# Altium PCB HORNET-1-IPG.PcbDoc (part 3 of 8) (continued)
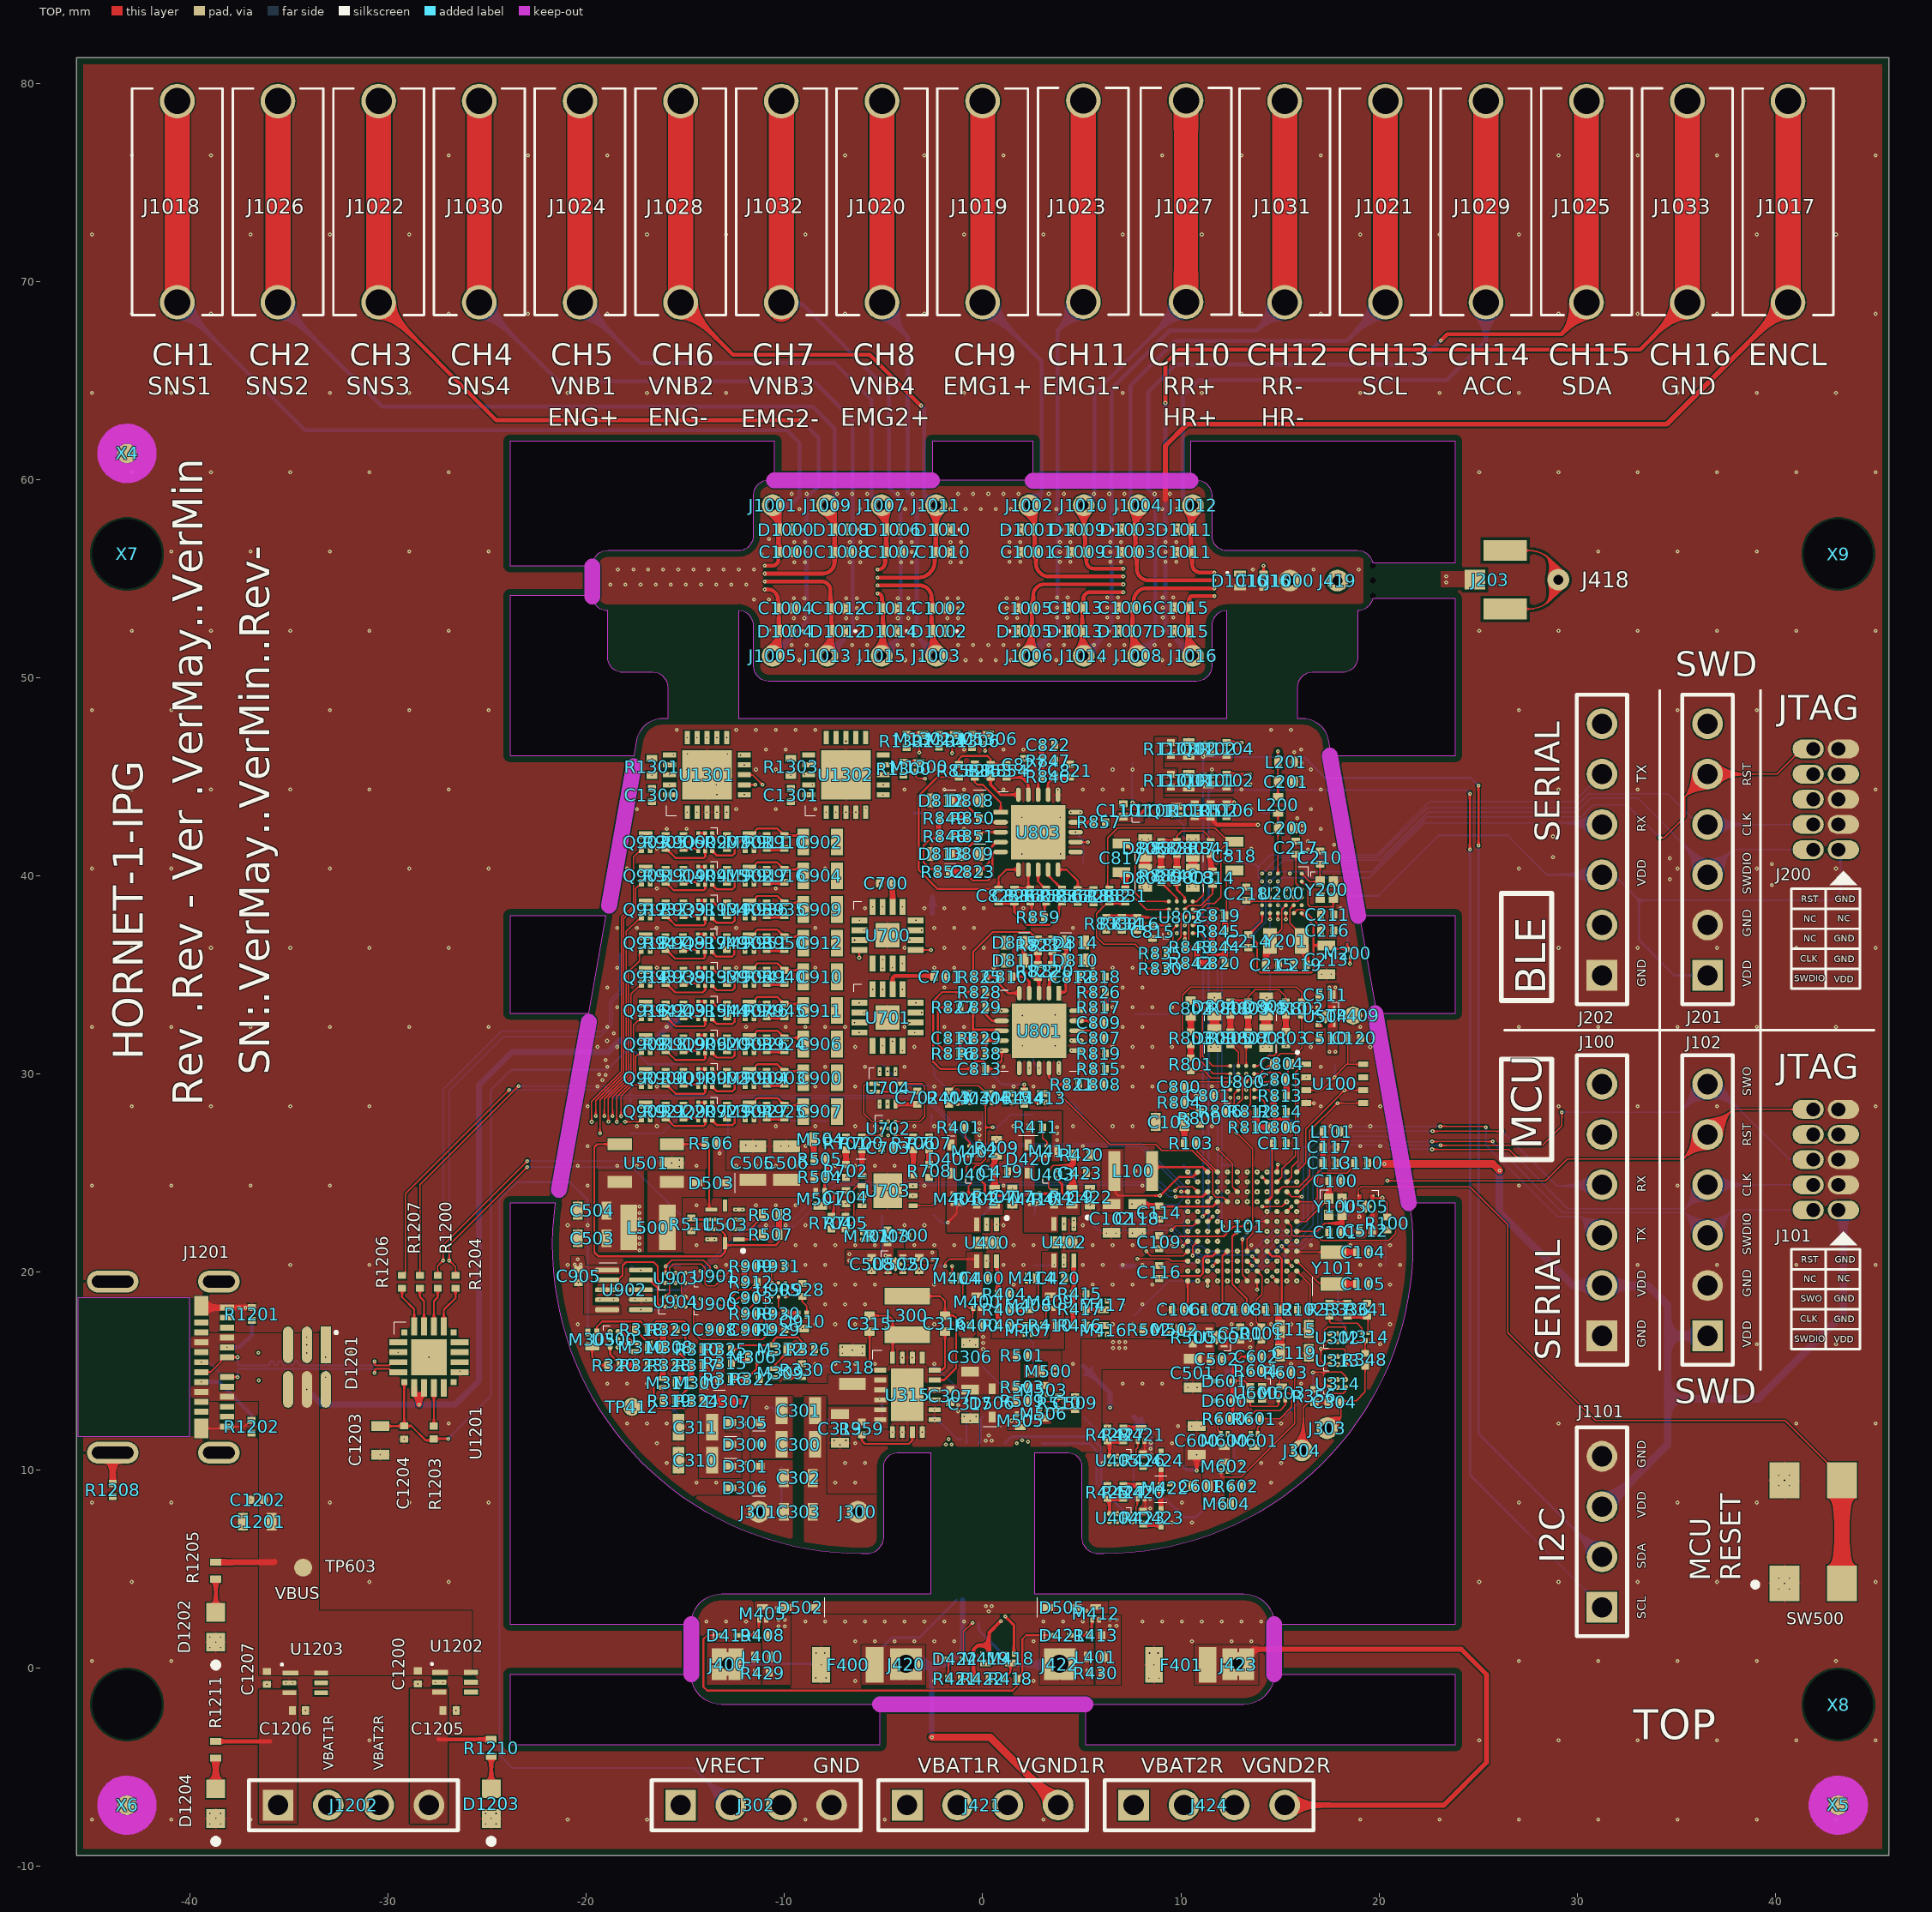
[diagram p0: TOP view]
## Part data (continued)
R337 R348 R356: "Fixed Resistor, Metal Glaze/thick Film, 0.05W, 49900ohm, 30V, 1% +/-Tol, 200ppm/Cel, Surface Mount, 0201", Case/Package=0201, Manufacturer=Vishay, Max Operating Temperature=155°C, Medical Grade MFR=Mini-Systems, Medical Grade MFR PN=MWA96SM-4992F-NS62TR, Min Operating Temperature=-55°C, Package Height=0.23mm, Package Length=0.6mm, Package Shape=Rectangular, Package Style=SMTMeter, Package Width=0.3mm, Power=50mW, Rated Temperature=70°C, Resistor Type="FIXED RESISTOR", Supplier Part Number=541-49.9KABCT-ND, Temperature Coefficient=200ppm/°C, Tolerance=1%, Working Voltage=30V, Category="Chip SMD Resistors", ComponentLink1Description=https://datasheet.ciiva.com:443/pdfs/VipMasterIC/IC/VISH/VISH-S-A0002932828/VISH-S-A0002932828-1.pdf?src-supplier=IHS+Markit, ComponentLink1URL=https://datasheet.ciiva.com:443/pdfs/VipMasterIC/IC/VISH/VISH-S-A0002932828/VISH-S-A0002932828-1.pdf?src-supplier=IHS+Markit, ComponentLink2Description=https://datasheet.ciiva.com/7673/1719906-7673210.pdf?src-supplier=Element14, ComponentLink2URL=https://datasheet.ciiva.com/7673/1719906-7673210.pdf?src-supplier=Element14, ComponentLink3Description=https://datasheet.ciiva.com/7673/1719906-7673209.pdf?src-supplier=Element14, ComponentLink3URL=https://datasheet.ciiva.com/7673/1719906-7673209.pdf?src-supplier=Element14, ComponentLink4Description=https://datasheet.ciiva.com/22643/1635184-22643438.pdf?src-supplier=Element14, ComponentLink4URL=https://datasheet.ciiva.com/22643/1635184-22643438.pdf?src-supplier=Element14, ComponentLink5Description=https://datasheet.ciiva.com/7172/1635184-7172907.pdf?src-supplier=Newark, ComponentLink5URL=https://datasheet.ciiva.com/7172/1635184-7172907.pdf?src-supplier=Newark, ComponentLink6Description=https://datasheet.ciiva.com/16208/dcrcwe3-16208758.pdf?src-supplier=Future+Electronics, ComponentLink6URL=https://datasheet.ciiva.com/16208/dcrcwe3-16208758.pdf?src-supplier=Future+Electronics, Construction=Chip, JESD-609 Code=e3, Manufacturer Part Number=CRCW020149K9FNED, Mounting Technology="Surface Mount", Packaging="Tape and Reel", Pins=2, Pricing="1=0,1, 10=0,037, 50=0,0242, 100=0,0204, 500=0,01426, 1000=0,01241, 5000=0,00924 (USD)", Reach SVHC Compliant=Yes, Reference Standard=AEC-Q200, RoHS=Yes, RoHS Compliant=Yes, Stock=25072, Supplier=Digikey, Supplier 1=Digikey, Supplier Part Number 1=541-49.9KABCT-ND, Technology="METAL GLAZE/THICK FILM", Terminal Finish=Nickel, Termination=Wraparound
R405 R416: "Fixed Resistor, Metal Glaze/thick Film, 0.05W, 4020ohm, 30V, 1% +/-Tol, 200ppm/Cel, Surface Mount, 0201", Case/Package=0201, Manufacturer=Vishay, Max Operating Temperature=155°C, Medical Grade MFR=Mini-Systems, Medical Grade MFR PN=MWA96SM-4021F-NS62TR, Min Operating Temperature=-55°C, Package Height=0.23mm, Package Length=0.6mm, Package Shape=Rectangular, Package Style=SMTMeter, Package Width=0.3mm, Power=50mW, Rated Temperature=70°C, Resistor Type="FIXED RESISTOR", Supplier Part Number=541-CRCW02014K02FNEDCT-ND, Temperature Coefficient=200ppm/°C, Tolerance=1%, Working Voltage=30V, Category="Chip SMD Resistors", ComponentLink1Description=https://datasheet.ciiva.com:443/pdfs/VipMasterIC/IC/VISH/VISH-S-A0002932828/VISH-S-A0002932828-1.pdf?src-supplier=IHS+Markit, ComponentLink1URL=https://datasheet.ciiva.com:443/pdfs/VipMasterIC/IC/VISH/VISH-S-A0002932828/VISH-S-A0002932828-1.pdf?src-supplier=IHS+Markit, ComponentLink2Description=https://datasheet.ciiva.com/7690/1719906-7690620.pdf?src-supplier=Element14, ComponentLink2URL=https://datasheet.ciiva.com/7690/1719906-7690620.pdf?src-supplier=Element14, ComponentLink3Description=https://datasheet.ciiva.com/7690/1719906-7690621.pdf?src-supplier=Element14, ComponentLink3URL=https://datasheet.ciiva.com/7690/1719906-7690621.pdf?src-supplier=Element14, ComponentLink4Description=https://datasheet.ciiva.com/9074/crcw0201e3-9074873.pdf?src-supplier=Avnet, ComponentLink4URL=https://datasheet.ciiva.com/9074/crcw0201e3-9074873.pdf?src-supplier=Avnet, ComponentLink5Description=https://datasheet.ciiva.com/22675/1700795-22675166.pdf?src-supplier=Element14, ComponentLink5URL=https://datasheet.ciiva.com/22675/1700795-22675166.pdf?src-supplier=Element14, Construction=Chip, JESD-609 Code=e3, Manufacturer Part Number=CRCW02014K02FNED, Mounting Technology="Surface Mount", Packaging="Tape and Reel", Pins=2, Pricing="1=0,1, 10=0,037, 50=0,0242, 100=0,0204, 500=0,01426, 1000=0,01241, 5000=0,00924 (USD)", Reach SVHC Compliant=Yes, Reference Standard=AEC-Q200, RoHS=Yes, RoHS Compliant=Yes, Stock=14472, Supplier=Digikey, Supplier 1=Digikey, Supplier Part Number 1=541-CRCW02014K02FNEDCT-ND, Technology="METAL GLAZE/THICK FILM", Terminal Finish=Nickel, Termination=Wraparound
R406 R417: "Fixed Resistor, Metal Glaze/thick Film, 0.05W, 7500ohm, 30V, 1% +/-Tol, 200ppm/Cel, Surface Mount, 0201", Case/Package=0201, Manufacturer=Vishay, Max Operating Temperature=155°C, Medical Grade MFR=Mini-Systems, Medical Grade MFR PN=MWA96SM-7501F-NS62TR, Min Operating Temperature=-55°C, Package Height=0.23mm, Package Length=0.6mm, Package Shape=Rectangular, Package Style=SMTMeter, Package Width=0.3mm, Power=50mW, Rated Temperature=70°C, Resistor Type="FIXED RESISTOR", Supplier Part Number=541-7.50KABCT-ND, Temperature Coefficient=200ppm/°C, Tolerance=1%, Working Voltage=30V, Category="Chip SMD Resistors", ComponentLink1Description=https://datasheet.ciiva.com:443/pdfs/VipMasterIC/IC/VISH/VISH-S-A0002932828/VISH-S-A0002932828-1.pdf?src-supplier=IHS+Markit, ComponentLink1URL=https://datasheet.ciiva.com:443/pdfs/VipMasterIC/IC/VISH/VISH-S-A0002932828/VISH-S-A0002932828-1.pdf?src-supplier=IHS+Markit, ComponentLink2Description=https://datasheet.ciiva.com/2474/crcw0201e3-2474815.pdf?src-supplier=Digikey, ComponentLink2URL=https://datasheet.ciiva.com/2474/crcw0201e3-2474815.pdf?src-supplier=Digikey, ComponentLink3Description=https://datasheet.ciiva.com/2474/crcw0201e3-2474816.pdf?src-supplier=Digikey, ComponentLink3URL=https://datasheet.ciiva.com/2474/crcw0201e3-2474816.pdf?src-supplier=Digikey, ComponentLink4Description=https://datasheet.ciiva.com/2474/crcw0201e3-2474817.pdf?src-supplier=Digikey, ComponentLink4URL=https://datasheet.ciiva.com/2474/crcw0201e3-2474817.pdf?src-supplier=Digikey, ComponentLink5Description=https://datasheet.ciiva.com/9058/crcw0201e3-9058555.pdf?src-supplier=Avnet, ComponentLink5URL=https://datasheet.ciiva.com/9058/crcw0201e3-9058555.pdf?src-supplier=Avnet, ComponentLink6Description=https://datasheet.ciiva.com/7679/1719906-7679036.pdf?src-supplier=Element14, ComponentLink6URL=https://datasheet.ciiva.com/7679/1719906-7679036.pdf?src-supplier=Element14, ComponentLink7Description=https://datasheet.ciiva.com/7679/1719906-7679037.pdf?src-supplier=Element14, ComponentLink7URL=https://datasheet.ciiva.com/7679/1719906-7679037.pdf?src-supplier=Element14, ComponentLink8Description=https://datasheet.ciiva.com/22704/1719906-22704599.pdf?src-supplier=Element14, ComponentLink8URL=https://datasheet.ciiva.com/22704/1719906-22704599.pdf?src-supplier=Element14, Construction=Chip, JESD-609 Code=e3, Manufacturer Part Number=CRCW02017K50FNED, Mounting Technology="Surface Mount", Packaging="Tape and Reel", Pins=2, Pricing="1=0,1, 10=0,037, 50=0,0242, 100=0,0204, 500=0,01426, 1000=0,01241, 5000=0,00924 (USD)", Reach SVHC Compliant=Yes, Reference Standard=AEC-Q200, RoHS=Yes, RoHS Compliant=Yes, Stock=42220, Supplier=Digikey, Supplier 1=Digikey, Supplier Part Number 1=541-7.50KABCT-ND, Technology="METAL GLAZE/THICK FILM", Terminal Finish=Nickel, Termination=Wraparound
R407 R419: "Resistor, 619k, 0.1%, 0402", Manufacturer=Vishay, Medical Grade MFR=TBD, Rating=50V, Supplier Part Number 1=541-MCS0402MD6193BE000CT-ND, Category=Resistor, Length (mm)="1.12 ±0.10", Manufacturer Part Number=MCS0402MD6193BE000, Medical Grade MFR PN=TBD, PCB Footprint=res0402_reduced, Precision=0.1%, Supplier 1=Digi-Key, Thickness (mm)="0.33 ±0.08", Width (mm)="0.56 ±0.08"
R409 R420: "Resistor, 243k, 0.1%, 0402", Manufacturer="TE Connectivity", Manufacturer Part Number=RP73PF1E243KBTDF, Medical Grade MFR=TBD, Rating=50V, Supplier Part Number 1=A127548CT-ND, Category=Resistor, Length (mm)="1.12 ±0.10", Medical Grade MFR PN=TBD, PCB Footprint=res0402_reduced, Precision=0.1%, Review=020823, Status=Approved, Supplier 1=Digikey, Thickness (mm)="0.33 ±0.08", Width (mm)="0.56 ±0.08"
R418: "Fixed Resistor, Metal Glaze/thick Film, 0.05W, 5100000ohm, 30V, 1% +/-Tol, 200ppm/Cel, Surface Mount, 0201", Case/Package=0201, Manufacturer="Vishay Draloric", Manufacturer Series=CRCW0201E3, Max Operating Temperature=155°C, Medical Grade MFR=TBD, Min Operating Temperature=-55°C, Package Shape=Rectangular, Power=50mW, Rated Temperature=70°C, Resistor Type="FIXED RESISTOR", Supplier Part Number=541-CRCW02015M10FNEDCT-ND, Temperature Coefficient=200ppm/°C, Tolerance=1%, Working Voltage=30V, Category="Chip SMD Resistors", ComponentLink1Description=https://datasheet.ciiva.com:443/pdfs/VipMasterIC/IC/VISH/VISH-S-A0002932828/VISH-S-A0002932828-1.pdf?src-supplier=IHS+Markit, ComponentLink1URL=https://datasheet.ciiva.com:443/pdfs/VipMasterIC/IC/VISH/VISH-S-A0002932828/VISH-S-A0002932828-1.pdf?src-supplier=IHS+Markit, ComponentLink2Description=https://datasheet.ciiva.com/7843/1719906-7843192.pdf?src-supplier=Element14, ComponentLink2URL=https://datasheet.ciiva.com/7843/1719906-7843192.pdf?src-supplier=Element14, ComponentLink3Description=https://datasheet.ciiva.com/7843/1719906-7843193.pdf?src-supplier=Element14, ComponentLink3URL=https://datasheet.ciiva.com/7843/1719906-7843193.pdf?src-supplier=Element14, ComponentLink4Description=https://datasheet.ciiva.com/6073/1719906-6073775.pdf?src-supplier=Farnell, ComponentLink4URL=https://datasheet.ciiva.com/6073/1719906-6073775.pdf?src-supplier=Farnell, JESD-609 Code=e3, Manufacturer Part Number=CRCW02015M10FNED, Medical Grade MFR PN=TBD, Mounting Technology="Surface Mount", Packaging="Tape and Reel", Pins=2, Pricing="1=0,1, 10=0,037, 50=0,0242, 100=0,0204, 500=0,01426, 1000=0,01241, 5000=0,00924 (USD)", Reach SVHC Compliant=Yes, RoHS=Yes, RoHS Compliant=Yes, Stock=56300, Supplier=Digikey, Supplier 1=Digikey, Supplier Part Number 1=541-CRCW02015M10FNEDCT-ND, Technology="METAL GLAZE/THICK FILM", Terminal Finish=Nickel, Termination=Wraparound
R501 R928: "Fixed Resistor, Metal Glaze/thick Film, 0.05W, 100ohm, 30V, 1% +/-Tol, 200ppm/Cel, Surface Mount, 0201", Case/Package=0201, Manufacturer=Vishay, Max Operating Temperature=155°C, Medical Grade MFR=Mini-Systems, Medical Grade MFR PN=MWA96SM-1000F-NS62TR, Min Operating Temperature=-55°C, Package Height=0.23mm, Package Length=0.6mm, Package Shape=Rectangular, Package Style=SMTMeter, Package Width=0.3mm, Power=50mW, Rated Temperature=70°C, Resistor Type="FIXED RESISTOR", Supplier Part Number=541-100ABCT-ND, Temperature Coefficient=200ppm/°C, Tolerance=1%, Working Voltage=30V, Category="Chip SMD Resistors", ComponentLink1Description=https://datasheet.ciiva.com:443/pdfs/VipMasterIC/IC/VISH/VISH-S-A0002932828/VISH-S-A0002932828-1.pdf?src-supplier=IHS+Markit, ComponentLink1URL=https://datasheet.ciiva.com:443/pdfs/VipMasterIC/IC/VISH/VISH-S-A0002932828/VISH-S-A0002932828-1.pdf?src-supplier=IHS+Markit, ComponentLink2Description=https://datasheet.ciiva.com/8083/crcw0201e3-8083961.pdf?src-supplier=Avnet, ComponentLink2URL=https://datasheet.ciiva.com/8083/crcw0201e3-8083961.pdf?src-supplier=Avnet, ComponentLink3Description=https://datasheet.ciiva.com/2527/crcw0201e3-2527593.pdf?src-supplier=Digikey, ComponentLink3URL=https://datasheet.ciiva.com/2527/crcw0201e3-2527593.pdf?src-supplier=Digikey, ComponentLink4Description=https://datasheet.ciiva.com/2527/crcw0201e3-2527591.pdf?src-supplier=Digikey, ComponentLink4URL=https://datasheet.ciiva.com/2527/crcw0201e3-2527591.pdf?src-supplier=Digikey, ComponentLink5Description=https://datasheet.ciiva.com/2527/crcw0201e3-2527592.pdf?src-supplier=Digikey, ComponentLink5URL=https://datasheet.ciiva.com/2527/crcw0201e3-2527592.pdf?src-supplier=Digikey, ComponentLink6Description=https://datasheet.ciiva.com/7983/1719906-7983317.pdf?src-supplier=Element14, ComponentLink6URL=https://datasheet.ciiva.com/7983/1719906-7983317.pdf?src-supplier=Element14, ComponentLink7Description=https://datasheet.ciiva.com/7983/1719906-7983318.pdf?src-supplier=Element14, ComponentLink7URL=https://datasheet.ciiva.com/7983/1719906-7983318.pdf?src-supplier=Element14, ComponentLink8Description=https://datasheet.ciiva.com/16757/70202042-16757607.pdf?src-supplier=Allied+Electronics, ComponentLink8URL=https://datasheet.ciiva.com/16757/70202042-16757607.pdf?src-supplier=Allied+Electronics, ComponentLink9Description=https://datasheet.ciiva.com/16202/dcrcwe3-16202605.pdf?src-supplier=Future+Electronics, ComponentLink9URL=https://datasheet.ciiva.com/16202/dcrcwe3-16202605.pdf?src-supplier=Future+Electronics, ComponentLink10Description=https://datasheet.ciiva.com/22665/1700795-22665690.pdf?src-supplier=Element14, ComponentLink10URL=https://datasheet.ciiva.com/22665/1700795-22665690.pdf?src-supplier=Element14, Construction=Chip, JESD-609 Code=e3, Manufacturer Part Number=CRCW0201100RFNED, Mounting Technology="Surface Mount", Packaging="Tape and Reel", Pins=2, Pricing="1=0,1, 10=0,037, 50=0,0242, 100=0,0204, 500=0,01426, 1000=0,01241, 5000=0,00924 (USD)", Reach SVHC Compliant=Yes, Reference Standard=AEC-Q200, RoHS=Yes, RoHS Compliant=Yes, Stock=52904, Supplier=Digikey, Supplier 1=Digikey, Supplier Part Number 1=541-100ABCT-ND, Technology="METAL GLAZE/THICK FILM", Terminal Finish=Nickel, Termination=Wraparound
R506: "Fixed Resistor, Metal Glaze/thick Film, 0.05W, 340000ohm, 30V, 1% +/-Tol, 200ppm/Cel, Surface Mount, 0201", Case/Package=0201, Manufacturer=Vishay, Max Operating Temperature=155°C, Medical Grade MFR=Mini-Systems, Medical Grade MFR PN=MWA96SM-3403F-NS62TR, Min Operating Temperature=-55°C, Package Height=0.23mm, Package Length=0.6mm, Package Shape=Rectangular, Package Style=SMTMeter, Package Width=0.3mm, Power=50mW, Rated Temperature=70°C, Resistor Type="FIXED RESISTOR", Supplier Part Number=541-340KAABDKR-ND, Supplier Part Number 1=541-340KAABCT-ND, Temperature Coefficient=200ppm/°C, Tolerance=1%, Working Voltage=30V, Category="Chip SMD Resistors", ComponentLink1Description=https://datasheet.ciiva.com:443/pdfs/VipMasterIC/IC/VISH/VISH-S-A0002932828/VISH-S-A0002932828-1.pdf?src-supplier=IHS+Markit, ComponentLink1URL=https://datasheet.ciiva.com:443/pdfs/VipMasterIC/IC/VISH/VISH-S-A0002932828/VISH-S-A0002932828-1.pdf?src-supplier=IHS+Markit, ComponentLink2Description=https://datasheet.ciiva.com/2577/crcw0201e3-2577344.pdf?src-supplier=Digikey, ComponentLink2URL=https://datasheet.ciiva.com/2577/crcw0201e3-2577344.pdf?src-supplier=Digikey, ComponentLink3Description=https://datasheet.ciiva.com/8944/crcw0201e3-8944076.pdf?src-supplier=Avnet, ComponentLink3URL=https://datasheet.ciiva.com/8944/crcw0201e3-8944076.pdf?src-supplier=Avnet, ComponentLink4Description=https://datasheet.ciiva.com/7673/1719906-7673960.pdf?src-supplier=Element14, ComponentLink4URL=https://datasheet.ciiva.com/7673/1719906-7673960.pdf?src-supplier=Element14, ComponentLink5Description=https://datasheet.ciiva.com/7673/1719906-7673961.pdf?src-supplier=Element14, ComponentLink5URL=https://datasheet.ciiva.com/7673/1719906-7673961.pdf?src-supplier=Element14, ComponentLink6Description=https://datasheet.ciiva.com/22706/1719906-22706187.pdf?src-supplier=Element14, ComponentLink6URL=https://datasheet.ciiva.com/22706/1719906-22706187.pdf?src-supplier=Element14, ComponentLink7Description=https://datasheet.ciiva.com/22675/1700795-22675861.pdf?src-supplier=Element14, ComponentLink7URL=https://datasheet.ciiva.com/22675/1700795-22675861.pdf?src-supplier=Element14, Construction=Chip, JESD-609 Code=e3, Manufacturer Part Number=CRCW0201340KFKED, Mounting Technology="Surface Mount", Packaging="Tape and Reel", Pins=2, Pricing="1=0,1, 10=0,037, 50=0,0242, 100=0,0204, 500=0,01426, 1000=0,01241, 5000=0,00924 (USD)", Reach SVHC Compliant=Yes, Reference Standard=AEC-Q200, RoHS=Yes, RoHS Compliant=Yes, Supplier=Digikey, Supplier 1=Digikey, Technology="METAL GLAZE/THICK FILM", Terminal Finish=Nickel, Termination=Wraparound
R507 R508: library part RES_DNP_0402, Manufacturer=N/A, Category=Resistor, Length (mm)="1.12 ±0.10", Manufacturer PN=N/A, Medical Grade MFR=N/A, Medical Grade MFR PN=N/A, PCB Footprint=res0402_reduced, Rating=N/A, Review=020823, Status=Approved, Thickness (mm)="0.33 ±0.08", Width (mm)="0.56 ±0.08"
R511: "Fixed Resistor, Metal Glaze/thick Film, 0.05W, 40200ohm, 30V, 1% +/-Tol, 200ppm/Cel, Surface Mount, 0201", Case/Package=0201, Manufacturer=Vishay, Max Operating Temperature=155°C, Medical Grade MFR=Mini-Systems, Medical Grade MFR PN=MWA96SM-4022F-NS62TR, Min Operating Temperature=-55°C, Package Height=0.23mm, Package Length=0.6mm, Package Shape=Rectangular, Package Style=SMTMeter, Package Width=0.3mm, Power=50mW, Rated Temperature=70°C, Resistor Type="FIXED RESISTOR", Supplier Part Number=541-CRCW020140K2FNEDCT-ND, Temperature Coefficient=200ppm/°C, Tolerance=1%, Working Voltage=30V, Category="Chip SMD Resistors", ComponentLink1Description=https://datasheet.ciiva.com:443/pdfs/VipMasterIC/IC/VISH/VISH-S-A0002932828/VISH-S-A0002932828-1.pdf?src-supplier=IHS+Markit, ComponentLink1URL=https://datasheet.ciiva.com:443/pdfs/VipMasterIC/IC/VISH/VISH-S-A0002932828/VISH-S-A0002932828-1.pdf?src-supplier=IHS+Markit, ComponentLink2Description=https://datasheet.ciiva.com/7671/1719906-7671543.pdf?src-supplier=Element14, ComponentLink2URL=https://datasheet.ciiva.com/7671/1719906-7671543.pdf?src-supplier=Element14, ComponentLink3Description=https://datasheet.ciiva.com/7671/1719906-7671544.pdf?src-supplier=Element14, ComponentLink3URL=https://datasheet.ciiva.com/7671/1719906-7671544.pdf?src-supplier=Element14, ComponentLink4Description=https://datasheet.ciiva.com/2577/crcw0201e3-2577288.pdf?src-supplier=Digikey, ComponentLink4URL=https://datasheet.ciiva.com/2577/crcw0201e3-2577288.pdf?src-supplier=Digikey, ComponentLink5Description=https://datasheet.ciiva.com/6000/1719906-6000661.pdf?src-supplier=Farnell, ComponentLink5URL=https://datasheet.ciiva.com/6000/1719906-6000661.pdf?src-supplier=Farnell, ComponentLink6Description=https://datasheet.ciiva.com/22705/1719906-22705803.pdf?src-supplier=Element14, ComponentLink6URL=https://datasheet.ciiva.com/22705/1719906-22705803.pdf?src-supplier=Element14, Construction=Chip, JESD-609 Code=e3, Manufacturer Part Number=CRCW020140K2FNED, Mounting Technology="Surface Mount", Packaging="Tape and Reel", Pins=2, Pricing="1=0,1, 10=0,037, 50=0,0242, 100=0,0204, 500=0,01426, 1000=0,01241, 5000=0,00924 (USD)", Reach SVHC Compliant=Yes, Reference Standard=AEC-Q200, RoHS=Yes, RoHS Compliant=Yes, Stock=24960, Supplier=Digikey, Supplier 1=Digikey, Supplier Part Number 1=541-CRCW020140K2FNEDCT-ND, Technology="METAL GLAZE/THICK FILM", Terminal Finish=Nickel, Termination=Wraparound
R700 R706: "Fixed Resistor, Metal Glaze/thick Film, 0.05W, 8200ohm, 30V, 1% +/-Tol, 200ppm/Cel, Surface Mount, 0201", Case/Package=0201, Manufacturer=Vishay, Max Operating Temperature=155°C, Medical Grade MFR=TBD, Min Operating Temperature=-55°C, Package Height=0.23mm, Package Length=0.6mm, Package Shape=Rectangular, Package Style=SMTMeter, Package Width=0.3mm, Power=50mW, Rated Temperature=70°C, Resistor Type="FIXED RESISTOR", Supplier Part Number 1=541-CRCW02018K20FNEDCT-ND, Temperature Coefficient=200ppm/°C, Tolerance=1%, Working Voltage=30V, Category="Chip SMD Resistors", ComponentLink1Description=https://datasheet.ciiva.com:443/pdfs/VipMasterIC/IC/VISH/VISH-S-A0002932828/VISH-S-A0002932828-1.pdf?src-supplier=IHS+Markit, ComponentLink1URL=https://datasheet.ciiva.com:443/pdfs/VipMasterIC/IC/VISH/VISH-S-A0002932828/VISH-S-A0002932828-1.pdf?src-supplier=IHS+Markit, ComponentLink2Description=https://datasheet.ciiva.com/7983/1719906-7983324.pdf?src-supplier=Element14, ComponentLink2URL=https://datasheet.ciiva.com/7983/1719906-7983324.pdf?src-supplier=Element14, ComponentLink3Description=https://datasheet.ciiva.com/7983/1719906-7983323.pdf?src-supplier=Element14, ComponentLink3URL=https://datasheet.ciiva.com/7983/1719906-7983323.pdf?src-supplier=Element14, ComponentLink4Description=https://datasheet.ciiva.com/22692/1719906-22692751.pdf?src-supplier=Element14, ComponentLink4URL=https://datasheet.ciiva.com/22692/1719906-22692751.pdf?src-supplier=Element14, ComponentLink5Description=https://datasheet.ciiva.com/22665/1825492-22665818.pdf?src-supplier=Element14, ComponentLink5URL=https://datasheet.ciiva.com/22665/1825492-22665818.pdf?src-supplier=Element14, ComponentLink6Description=https://datasheet.ciiva.com/2474/crcw0201e3-2474801.pdf?src-supplier=Digikey, ComponentLink6URL=https://datasheet.ciiva.com/2474/crcw0201e3-2474801.pdf?src-supplier=Digikey, ComponentLink7Description=https://datasheet.ciiva.com/2474/crcw0201e3-2474802.pdf?src-supplier=Digikey, ComponentLink7URL=https://datasheet.ciiva.com/2474/crcw0201e3-2474802.pdf?src-supplier=Digikey, ComponentLink8Description=https://datasheet.ciiva.com/2474/crcw0201e3-2474800.pdf?src-supplier=Digikey, ComponentLink8URL=https://datasheet.ciiva.com/2474/crcw0201e3-2474800.pdf?src-supplier=Digikey, ComponentLink9Description=https://datasheet.ciiva.com/22871/70202042-22871422.pdf?src-supplier=Allied+Electronics, ComponentLink9URL=https://datasheet.ciiva.com/22871/70202042-22871422.pdf?src-supplier=Allied+Electronics, ComponentLink10Description=https://datasheet.ciiva.com/3255/crcw0201e3-3255929.pdf?src-supplier=Avnet, ComponentLink10URL=https://datasheet.ciiva.com/3255/crcw0201e3-3255929.pdf?src-supplier=Avnet, Construction=Chip, Manufacturer Part Number=CRCW02018K20FNED, Medical Grade MFR PN=TBD, Mounting Technology="Surface Mount", Pins=2, Reach SVHC Compliant=Yes, Reference Standard=AEC-Q200, RoHS=Yes, RoHS Compliant=Yes, Supplier 1=Digikey, Technology="METAL GLAZE/THICK FILM", Terminal Finish=Nickel, Termination=Wraparound
R701 R707: "Fixed Resistor, Metal Glaze/thick Film, 0.05W, 59000ohm, 30V, 1% +/-Tol, 200ppm/Cel, Surface Mount, 0201", Case/Package=0201, Manufacturer=Vishay, Max Operating Temperature=155°C, Medical Grade MFR=TBD, Min Operating Temperature=-55°C, Package Height=0.23mm, Package Length=0.6mm, Package Shape=Rectangular, Package Style=SMTMeter, Package Width=0.3mm, Power=50mW, Rated Temperature=70°C, Resistor Type="FIXED RESISTOR", Supplier Part Number 1=541-CRCW020159K0FNEDCT-ND, Temperature Coefficient=200ppm/°C, Tolerance=1%, Working Voltage=30V, Category="Chip SMD Resistors", ComponentLink1Description=https://datasheet.ciiva.com:443/pdfs/VipMasterIC/IC/VISH/VISH-S-A0002932828/VISH-S-A0002932828-1.pdf?src-supplier=IHS+Markit, ComponentLink1URL=https://datasheet.ciiva.com:443/pdfs/VipMasterIC/IC/VISH/VISH-S-A0002932828/VISH-S-A0002932828-1.pdf?src-supplier=IHS+Markit, ComponentLink2Description=https://datasheet.ciiva.com/7983/1719906-7983324.pdf?src-supplier=Element14, ComponentLink2URL=https://datasheet.ciiva.com/7983/1719906-7983324.pdf?src-supplier=Element14, ComponentLink3Description=https://datasheet.ciiva.com/7983/1719906-7983323.pdf?src-supplier=Element14, ComponentLink3URL=https://datasheet.ciiva.com/7983/1719906-7983323.pdf?src-supplier=Element14, ComponentLink4Description=https://datasheet.ciiva.com/22692/1719906-22692751.pdf?src-supplier=Element14, ComponentLink4URL=https://datasheet.ciiva.com/22692/1719906-22692751.pdf?src-supplier=Element14, ComponentLink5Description=https://datasheet.ciiva.com/22665/1825492-22665818.pdf?src-supplier=Element14, ComponentLink5URL=https://datasheet.ciiva.com/22665/1825492-22665818.pdf?src-supplier=Element14, ComponentLink6Description=https://datasheet.ciiva.com/2474/crcw0201e3-2474801.pdf?src-supplier=Digikey, ComponentLink6URL=https://datasheet.ciiva.com/2474/crcw0201e3-2474801.pdf?src-supplier=Digikey, ComponentLink7Description=https://datasheet.ciiva.com/2474/crcw0201e3-2474802.pdf?src-supplier=Digikey, ComponentLink7URL=https://datasheet.ciiva.com/2474/crcw0201e3-2474802.pdf?src-supplier=Digikey, ComponentLink8Description=https://datasheet.ciiva.com/2474/crcw0201e3-2474800.pdf?src-supplier=Digikey, ComponentLink8URL=https://datasheet.ciiva.com/2474/crcw0201e3-2474800.pdf?src-supplier=Digikey, ComponentLink9Description=https://datasheet.ciiva.com/22871/70202042-22871422.pdf?src-supplier=Allied+Electronics, ComponentLink9URL=https://datasheet.ciiva.com/22871/70202042-22871422.pdf?src-supplier=Allied+Electronics, ComponentLink10Description=https://datasheet.ciiva.com/3255/crcw0201e3-3255929.pdf?src-supplier=Avnet, ComponentLink10URL=https://datasheet.ciiva.com/3255/crcw0201e3-3255929.pdf?src-supplier=Avnet, Construction=Chip, Manufacturer Part Number=CRCW020159K0FNED, Medical Grade MFR PN=TBD, Mounting Technology="Surface Mount", Pins=2, Reach SVHC Compliant=Yes, Reference Standard=AEC-Q200, RoHS=Yes, RoHS Compliant=Yes, Supplier 1=Digikey, Technology="METAL GLAZE/THICK FILM", Terminal Finish=Nickel, Termination=Wraparound
R704: "Fixed Resistor, Metal Glaze/thick Film, 0.05W, 120000ohm, 30V, 1% +/-Tol, 200ppm/Cel, Surface Mount, 0201", Case/Package=0201, Manufacturer="Vishay Dale", Max Operating Temperature=155°C, Medical Grade MFR=TBD, Min Operating Temperature=-55°C, Package Shape=Rectangular, Power=50mW, Rated Temperature=70°C, Resistor Type="FIXED RESISTOR", Supplier Part Number 1=541-CRCW0201120KFNEDDKR-ND, Temperature Coefficient=200ppm/°C, Tolerance=1%, Working Voltage=30V, Category="Chip SMD Resistors", ComponentLink1Description=https://datasheet.ciiva.com:443/pdfs/VipMasterIC/IC/VISH/VISH-S-A0002932828/VISH-S-A0002932828-1.pdf?src-supplier=IHS+Markit, ComponentLink1URL=https://datasheet.ciiva.com:443/pdfs/VipMasterIC/IC/VISH/VISH-S-A0002932828/VISH-S-A0002932828-1.pdf?src-supplier=IHS+Markit, ComponentLink2Description=https://datasheet.ciiva.com/7800/1719906-7800943.pdf?src-supplier=Element14, ComponentLink2URL=https://datasheet.ciiva.com/7800/1719906-7800943.pdf?src-supplier=Element14, ComponentLink3Description=https://datasheet.ciiva.com/22682/1700795-22682622.pdf?src-supplier=Element14, ComponentLink3URL=https://datasheet.ciiva.com/22682/1700795-22682622.pdf?src-supplier=Element14, ComponentLink4Description=https://datasheet.ciiva.com/22702/1719906-22702669.pdf?src-supplier=Element14, ComponentLink4URL=https://datasheet.ciiva.com/22702/1719906-22702669.pdf?src-supplier=Element14, ComponentLink5Description=https://datasheet.ciiva.com/29926/crcw0201e3-29926006.pdf?src-supplier=Avnet, ComponentLink5URL=https://datasheet.ciiva.com/29926/crcw0201e3-29926006.pdf?src-supplier=Avnet, Manufacturer Part Number=CRCW0201120KFNED, Medical Grade MFR PN=TBD, Mounting Technology="Surface Mount", Pins=2, Reach SVHC Compliant=Yes, RoHS=Yes, RoHS Compliant=Yes, Supplier 1=Digikey, Technology="METAL GLAZE/THICK FILM", Terminal Finish=Nickel, Termination=Wraparound
R802: "Fixed Resistor, Metal Glaze/thick Film, 0.05W, 1400000ohm, 30V, 1% +/-Tol, 200ppm/Cel, Surface Mount, 0201", Case/Package=0201, Manufacturer="Vishay Draloric", Max Operating Temperature=155°C, Medical Grade MFR=Mini-Systems, Medical Grade MFR PN=MWA96SM-1404F-NS62TR, Min Operating Temperature=-55°C, Package Shape=Rectangular, Power=50mW, Rated Temperature=70°C, Resistor Type="FIXED RESISTOR", Supplier Part Number=541-CRCW02011M40FNEDCT-ND, Temperature Coefficient=200ppm/°C, Tolerance=1%, Working Voltage=30V, Category="Chip SMD Resistors", ComponentLink1Description=https://datasheet.ciiva.com:443/pdfs/VipMasterIC/IC/VISH/VISH-S-A0002932828/VISH-S-A0002932828-1.pdf?src-supplier=IHS+Markit, ComponentLink1URL=https://datasheet.ciiva.com:443/pdfs/VipMasterIC/IC/VISH/VISH-S-A0002932828/VISH-S-A0002932828-1.pdf?src-supplier=IHS+Markit, ComponentLink2Description=http://www.farnell.com/datasheets/2111203.pdf?src-supplier=Farnell, ComponentLink2URL=http://www.farnell.com/datasheets/2111203.pdf?src-supplier=Farnell, ComponentLink3Description=http://www.farnell.com/datasheets/2238160.pdf?src-supplier=Farnell, ComponentLink3URL=http://www.farnell.com/datasheets/2238160.pdf?src-supplier=Farnell, ComponentLink4Description=http://www.farnell.com/datasheets/2111203.pdf?src-supplier=Element14, ComponentLink4URL=http://www.farnell.com/datasheets/2111203.pdf?src-supplier=Element14, ComponentLink5Description=http://www.farnell.com/datasheets/2045973.pdf?src-supplier=Element14, ComponentLink5URL=http://www.farnell.com/datasheets/2045973.pdf?src-supplier=Element14, ComponentLink6Description=http://www.farnell.com/datasheets/1719906.pdf?src-supplier=Element14, ComponentLink6URL=http://www.farnell.com/datasheets/1719906.pdf?src-supplier=Element14, ComponentLink7Description=http://www.vishay.com/docs/20052/crcw0201e3.pdf?src-supplier=Digikey, ComponentLink7URL=http://www.vishay.com/docs/20052/crcw0201e3.pdf?src-supplier=Digikey, JESD-609 Code=e3, Manufacturer Part Number=CRCW02011M40FNED, Mounting Technology="Surface Mount", Packaging="Tape and Reel", Pins=2, Pricing="1=0,1, 10=0,037, 50=0,0242, 100=0,0204, 500=0,01426, 1000=0,01241, 5000=0,00924 (USD)", Reach SVHC Compliant=Yes, RoHS=Yes, RoHS Compliant=Yes, Stock=24065, Supplier=Digikey, Supplier 1=Digikey, Supplier Part Number 1=541-CRCW02011M40FNEDCT-ND, Technology="METAL GLAZE/THICK FILM", Terminal Finish=Nickel, Termination=Wraparound
R805 R807 R820 R822 R839 R840 R850 R851: "Fixed Resistor, Metal Glaze/thick Film, 0.05W, 180000ohm, 30V, 1% +/-Tol, 200ppm/Cel, Surface Mount, 0201", Case/Package=0201, Manufacturer=Vishay, Max Operating Temperature=155°C, Medical Grade MFR=Mini-Systems, Medical Grade MFR PN=MWA96SM-1803F-NS62TR, Min Operating Temperature=-55°C, Package Height=0.23mm, Package Length=0.6mm, Package Shape=Rectangular, Package Style=SMTMeter, Package Width=0.3mm, Power=50mW, Rated Temperature=70°C, Resistor Type="FIXED RESISTOR", Supplier Part Number=541-CRCW0201180KFNEDCT-ND, Temperature Coefficient=200ppm/°C, Tolerance=1%, Working Voltage=30V, Category="Chip SMD Resistors", ComponentLink1Description=https://datasheet.ciiva.com:443/pdfs/VipMasterIC/IC/VISH/VISH-S-A0002932828/VISH-S-A0002932828-1.pdf?src-supplier=IHS+Markit, ComponentLink1URL=https://datasheet.ciiva.com:443/pdfs/VipMasterIC/IC/VISH/VISH-S-A0002932828/VISH-S-A0002932828-1.pdf?src-supplier=IHS+Markit, ComponentLink2Description=https://datasheet.ciiva.com/7714/1719906-7714127.pdf?src-supplier=Element14, ComponentLink2URL=https://datasheet.ciiva.com/7714/1719906-7714127.pdf?src-supplier=Element14, ComponentLink3Description=https://datasheet.ciiva.com/22665/1700795-22665798.pdf?src-supplier=Element14, ComponentLink3URL=https://datasheet.ciiva.com/22665/1700795-22665798.pdf?src-supplier=Element14, ComponentLink4Description=https://datasheet.ciiva.com/22692/1719906-22692745.pdf?src-supplier=Element14, ComponentLink4URL=https://datasheet.ciiva.com/22692/1719906-22692745.pdf?src-supplier=Element14, Construction=Chip, JESD-609 Code=e3, Manufacturer Part Number=CRCW0201180KFNED, Mounting Technology="Surface Mount", Packaging="Tape and Reel", Pins=2, Pricing="1=0,1, 10=0,037, 50=0,0242, 100=0,0204, 500=0,01426, 1000=0,01241, 5000=0,00924 (USD)", Reach SVHC Compliant=Yes, Reference Standard=AEC-Q200, RoHS=Yes, RoHS Compliant=Yes, Stock=52185, Supplier=Digikey, Supplier 1=Digikey, Supplier Part Number 1=541-CRCW0201180KFNEDCT-ND, Technology="METAL GLAZE/THICK FILM", Terminal Finish=Nickel, Termination=Wraparound
R810 R825 R841 R852: "Fixed Resistor, Metal Glaze/thick Film, 0.05W, 360000ohm, 30V, 1% +/-Tol, 200ppm/Cel, Surface Mount, 0201", Case/Package=0201, Manufacturer=Vishay, Max Operating Temperature=155°C, Medical Grade MFR=TBD, Min Operating Temperature=-55°C, Package Height=0.23mm, Package Length=0.6mm, Package Shape=Rectangular, Package Style=SMTMeter, Package Width=0.3mm, Power=50mW, Rated Temperature=70°C, Resistor Type="FIXED RESISTOR", Supplier Part Number=541-CRCW0201360KFNEDCT-ND, Temperature Coefficient=200ppm/°C, Tolerance=1%, Working Voltage=30V, Category="Chip SMD Resistors", ComponentLink1Description=https://datasheet.ciiva.com:443/pdfs/VipMasterIC/IC/VISH/VISH-S-A0002932828/VISH-S-A0002932828-1.pdf?src-supplier=IHS+Markit, ComponentLink1URL=https://datasheet.ciiva.com:443/pdfs/VipMasterIC/IC/VISH/VISH-S-A0002932828/VISH-S-A0002932828-1.pdf?src-supplier=IHS+Markit, ComponentLink2Description=https://datasheet.ciiva.com/2577/crcw0201e3-2577346.pdf?src-supplier=Digikey, ComponentLink2URL=https://datasheet.ciiva.com/2577/crcw0201e3-2577346.pdf?src-supplier=Digikey, ComponentLink3Description=https://datasheet.ciiva.com/8943/crcw0201e3-8943180.pdf?src-supplier=Avnet, ComponentLink3URL=https://datasheet.ciiva.com/8943/crcw0201e3-8943180.pdf?src-supplier=Avnet, ComponentLink4Description=https://datasheet.ciiva.com/22674/1700795-22674747.pdf?src-supplier=Element14, ComponentLink4URL=https://datasheet.ciiva.com/22674/1700795-22674747.pdf?src-supplier=Element14, ComponentLink5Description=https://datasheet.ciiva.com/22706/1719906-22706189.pdf?src-supplier=Element14, ComponentLink5URL=https://datasheet.ciiva.com/22706/1719906-22706189.pdf?src-supplier=Element14, ComponentLink6Description=https://datasheet.ciiva.com/7673/1719906-7673964.pdf?src-supplier=Element14, ComponentLink6URL=https://datasheet.ciiva.com/7673/1719906-7673964.pdf?src-supplier=Element14, ComponentLink7Description=https://datasheet.ciiva.com/7673/1719906-7673965.pdf?src-supplier=Element14, ComponentLink7URL=https://datasheet.ciiva.com/7673/1719906-7673965.pdf?src-supplier=Element14, Construction=Chip, JESD-609 Code=e3, Manufacturer Part Number=CRCW0201360KFNED, Medical Grade MFR PN=TBD, Mounting Technology="Surface Mount", Packaging="Tape and Reel", Pins=2, Pricing="1=0,1, 10=0,037, 50=0,0242, 100=0,0204, 500=0,01426, 1000=0,01241, 5000=0,00924 (USD)", Reach SVHC Compliant=Yes, Reference Standard=AEC-Q200, RoHS=Yes, RoHS Compliant=Yes, Stock=14607, Supplier=Digikey, Supplier 1=Digikey, Supplier Part Number 1=541-CRCW0201360KFNEDCT-ND, Technology="METAL GLAZE/THICK FILM", Terminal Finish=Nickel, Termination=Wraparound
R811: "Fixed Resistor, Metal Glaze/thick Film, 0.05W, 2200000ohm, 30V, 1% +/-Tol, 200ppm/Cel, Surface Mount, 0201", Case/Package=0201, Manufacturer="Vishay Draloric", Max Operating Temperature=155°C, Medical Grade MFR=TBD, Min Operating Temperature=-55°C, Package Shape=Rectangular, Power=50mW, Rated Temperature=70°C, Resistor Type="FIXED RESISTOR", Supplier Part Number=541-CRCW02012M20FNEDCT-ND, Temperature Coefficient=200ppm/°C, Tolerance=1%, Working Voltage=30V, Category="Chip SMD Resistors", ComponentLink1Description=https://datasheet.ciiva.com:443/pdfs/VipMasterIC/IC/VISH/VISH-S-A0002932828/VISH-S-A0002932828-1.pdf?src-supplier=IHS+Markit, ComponentLink1URL=https://datasheet.ciiva.com:443/pdfs/VipMasterIC/IC/VISH/VISH-S-A0002932828/VISH-S-A0002932828-1.pdf?src-supplier=IHS+Markit, ComponentLink2Description=https://datasheet.ciiva.com/7800/1719906-7800943.pdf?src-supplier=Element14, ComponentLink2URL=https://datasheet.ciiva.com/7800/1719906-7800943.pdf?src-supplier=Element14, ComponentLink3Description=https://datasheet.ciiva.com/22682/1700795-22682622.pdf?src-supplier=Element14, ComponentLink3URL=https://datasheet.ciiva.com/22682/1700795-22682622.pdf?src-supplier=Element14, ComponentLink4Description=https://datasheet.ciiva.com/22702/1719906-22702669.pdf?src-supplier=Element14, ComponentLink4URL=https://datasheet.ciiva.com/22702/1719906-22702669.pdf?src-supplier=Element14, ComponentLink5Description=https://datasheet.ciiva.com/29926/crcw0201e3-29926006.pdf?src-supplier=Avnet, ComponentLink5URL=https://datasheet.ciiva.com/29926/crcw0201e3-29926006.pdf?src-supplier=Avnet, JESD-609 Code=e3, Manufacturer Part Number=CRCW02012M20FNED, Medical Grade MFR PN=TBD, Mounting Technology="Surface Mount", Packaging="Tape and Reel", Pins=2, Pricing="1=0,1, 10=0,037, 50=0,0242, 100=0,0204, 500=0,01426, 1000=0,01241, 5000=0,00924 (USD)", Reach SVHC Compliant=Yes, RoHS=Yes, RoHS Compliant=Yes, Stock=17414, Supplier=Digikey, Supplier 1=Digikey, Supplier Part Number 1=541-CRCW02012M20FNEDCT-ND, Technology="METAL GLAZE/THICK FILM", Terminal Finish=Nickel, Termination=Wraparound